# KiCad board rcbus-ymf262-panel.kicad_pcb (continued)
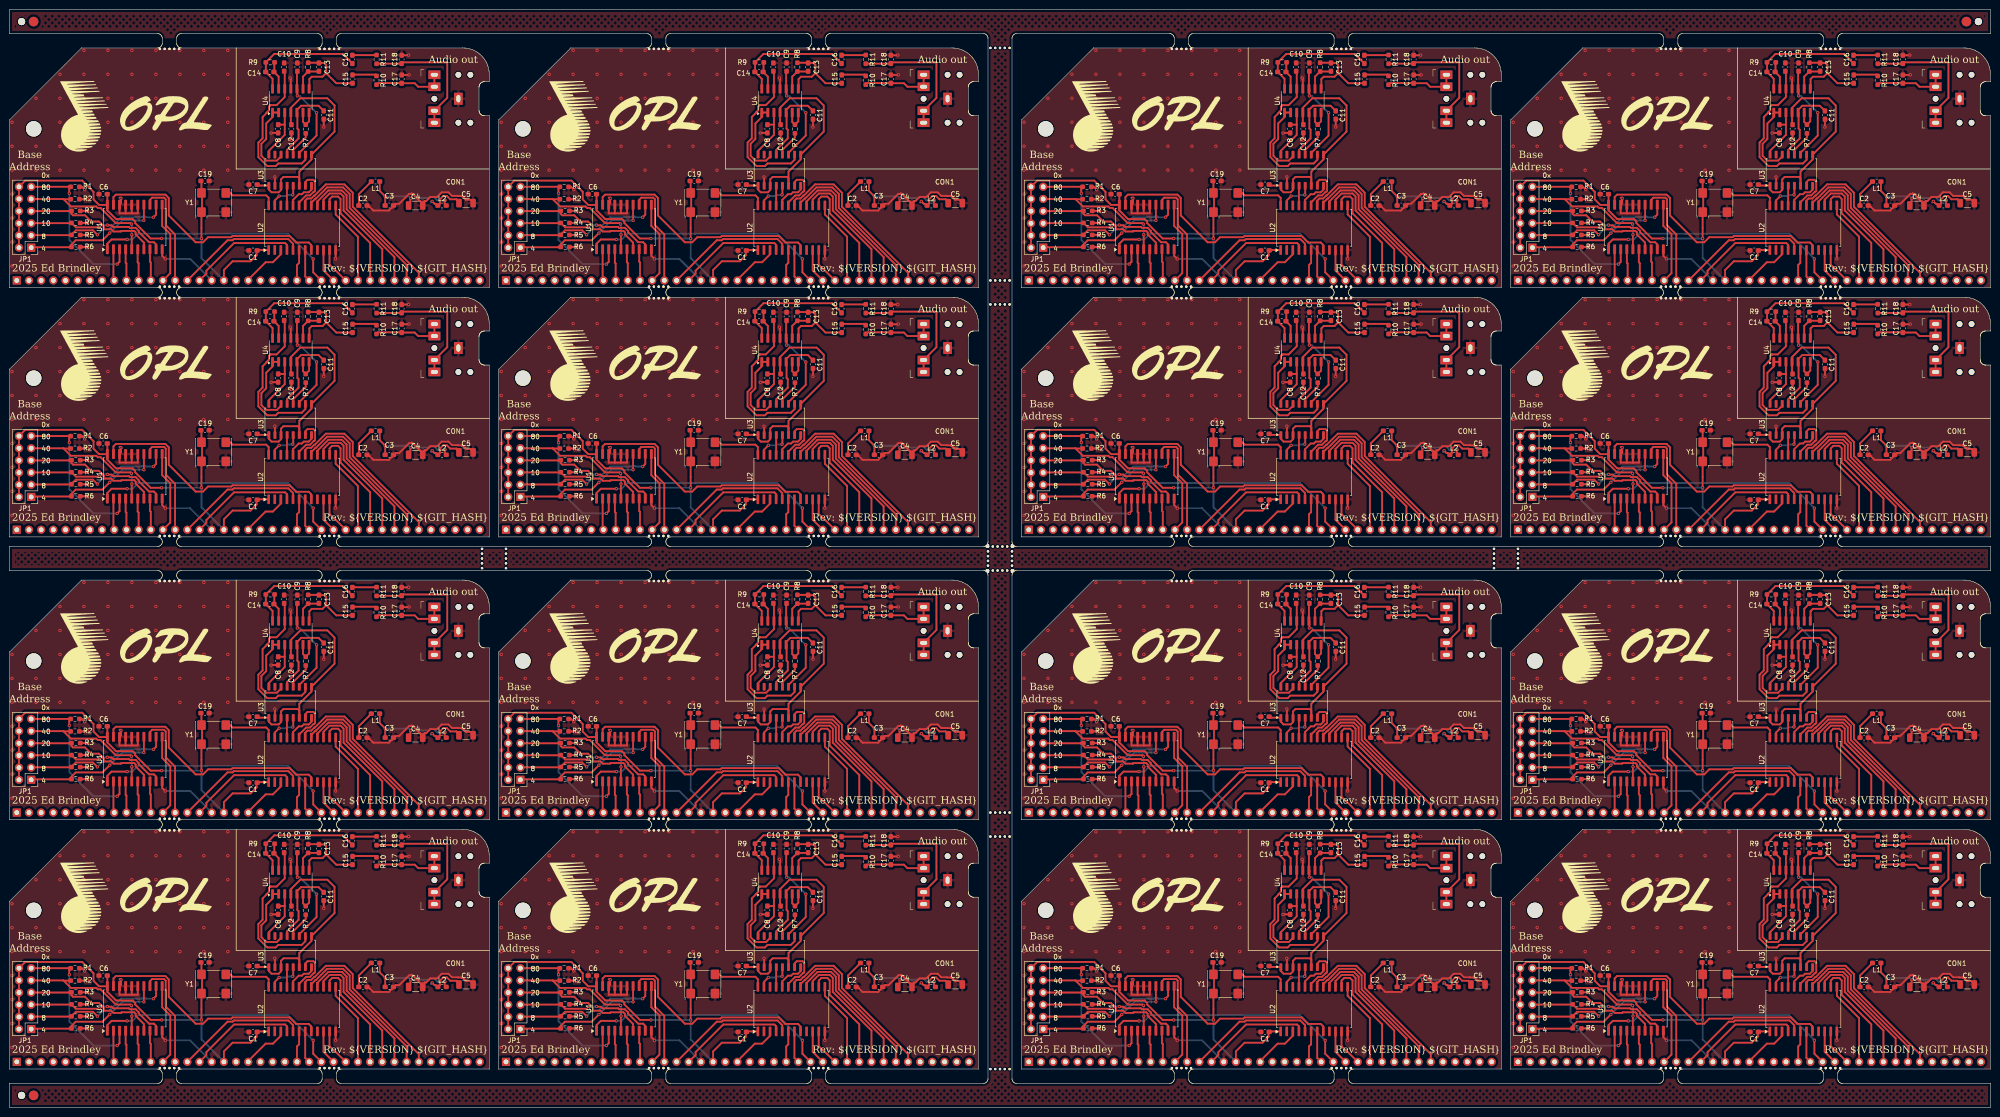
[diagram p0: board, top side]
## Routing (per net, layer and track width the routed paths; a pad name or vN(x,y) marks a point on that pad's centre or on a via; arc(x,y) is an arc through that point) (continued)
Board_10-Net-(U3-AOUT): length 16.9
  Front w0.381: C11#3.1 275.42,97.95 271.78,97.95 270.91,97.08 U4#3.5 271,96.43 271,93.19 271.25,92.94 271.25,91.14 268.87,88.75 U3.13
Board_10-Net-(U3-CV): length 11.5
  Front w0.381: 268.37,94 U4#3.3 ; 268.37,94 268.37,91.86 265.05,88.55 U3.16 ; 268.37,94 C8#16.1
Board_10-Net-(U3-MP): length 16.3
  Front w0.381: 265.94,96.53 266.99,96.53 ; U3.14 267.6,87.37 266.73,86.51 264.5,86.51 263.5,87.5 263.5,90 264.5,91 264.5,94.25 265.83,95.58 U4#3.1
Board_10-Net-(U3-SWIN): length 5.5
  Front w0.381: R7.1 272.75,91.34 270.13,88.72 U3.12
Board_10-Net-(U4B--): length 5.6
  Front w0.381: U4#3.7 273.45,94.7 R7.2 272.18,94.57 U4#3.6
Board_10-Net-(U4C--): length 6.3
  Front w0.381: C13#6.2 275.45,105.09 R8#12.1 272.18,104.02 U4#3.9
Board_10-Net-(U4D--): length 6
  Front w0.381: R9#6.1 266.2,106.72 266.2,105.08 C14#7.1 267.1,104.02 U4#3.13
Board_10-VCC: length 103.5
  Front w0.381: v1(251,70.25) 251,75.03 251.12,75.15 251.12,80.35 ; Y1#16.4 251,82.14 C19#14.1 ; 231.33,77.26 229.65,77.26 228.5,78.41 228.5,79.98 226.14,82.34 214.26,82.34 JP1#8.12 JP1#8.2 ; P1#14.18 255.68,63.68 257.5,65.5 261.25,65.5 262.5,66.75 262.5,67.75 C1#14.1 262.71,67.85 U2#13.1 ; L1#16.2 286,81.7 283.82,79.52 283.82,77.15 C2.1 ; C6#3.1 231.38,79.48 U1#9.20 231.38,76.12 233.19,74.31 236.66,74.31 237.18,73.79 237.18,73.48 240.41,70.25 v1(242.71,70.25)
  Back w0.381: v1(242.71,70.25) v1(251,70.25) 251,66.18 P1#14.18
Board_11-+5VA: length 56.5
  Front w0.381: v1(401.1,78) 401.59,77.5 401.81,77.5 L2#9.1 402.71,77.56 402.72,77.57 402.72,78.42 403.42,79.12 404.17,79.12 404.87,78.43 406.16,78.43 406.16,78.42 C5#16.1 ; C12#7.1 371.64,94.11 U4#7.4 371.64,97.52 373.61,99.5 379.25,99.5 380.75,98 380.75,92.56 U3#11.9 375.95,86.75 373.4,84.21 U3#11.6 373.4,82.8 373.11,83.1 370.1,83.1 369.6,82.6 U3#11.3 369.6,80.38 369.1,79.89 367.62,79.89 367.05,80.45 U3#11.1 367,81.3 364.81,81.3 C7#4.1
  Back w0.381: v1(401.1,78) 400.82,77.72
Board_11-/A0: length 23
  Front w0.381: U2#3.4 370.83,68.93 370.45,69.3 359.8,69.3 354.02,63.52 354.02,62.92 P1#11.16
Board_11-/A1: length 27.3
  Front w0.381: P1#11.15 358.45,69.89 359.49,69.89 359.74,70.14 371.12,70.14 372.1,69.16 U2#3.5
Board_11-/A2: length 22.4
  Front w0.381: P1#11.14 347.5,61.52 347.5,71.09 345.56,73.04 345.56,78.43 345.21,78.77 342.72,78.77 342.27,78.33 U1#16.13
Board_11-/A3: length 17.1
  Front w0.381: P1#11.13 346.5,63.02 346.5,71.19 344.8,72.89 344.8,77.29
Board_11-/A4: length 6.6
  Front w0.381: P1#11.12 342.44,65.26 342.27,65.43 342.27,67.94 342.3,67.97
Board_11-/A5: length 6.6
  Front w0.381: P1#11.11 339.9,65.1 339.7,65.3 339.7,67.97
Board_11-/A6: length 6.6
  Front w0.381: P1#11.10 337.36,65.04 337.2,65.2 337.2,67.99
Board_11-/A7: length 6.6
  Front w0.381: P1#11.9 334.65,61.67 U1#16.2
Board_11-/AUDIO_CH1: length 33.2
  Front w0.381: C10#2.1 370.37,105.02 U4#7.12 370.37,99.77 368.67,98.07 367.44,98.07 367.44,98.07 367.41,98.07 367.41,98.06 367.38,98.06 367.37,98.05 367.36,98.05 367.34,98.03 367.33,98.03 367.08,97.78 367.08,97 366.6,96.52 366.6,96.48 366.59,96.47 366.59,96.44 365.75,95.59 365.75,91.15 364.87,90.26 364.87,87.24 366.74,85.37 368.48,85.37 369.02,85.9 373.9,85.9 374.67,86.68 U3#11.10
Board_11-/AUDIO_CH2: length 20.9
  Front w0.381: C9#2.1 372.91,105.05 U4#7.10 373,101.38 v1(373,100) ; U3#11.11 373.4,88.13 377,91.72 v1(377,96.5)
  Back w0.381: v1(377,96.5) 373.5,100 v1(373,100)
Board_11-/CLK: length 10.9
  Front w0.381: 358.38,80.35 359.48,79.25 366.5,79.25 367.01,78.74 U2#3.24
Board_11-/D0: length 7.2
  Front w0.381: P1#11.27 378.45,63.6 U2#3.10
Board_11-/D1: length 7.8
  Front w0.381: 379.7,67.84 379.7,64.79 380.67,63.81 380.77,63.81 P1#11.28
Board_11-/D2: length 17.6
  Front w0.381: U2#3.13 380.99,75.27 385.62,70.63 P1#11.29
Board_11-/D3: length 23.6
  Front w0.381: P1#11.30 388.16,69.34 382,75.5 382,78.5 381.5,79 380.25,79 379.72,78.47 U2#3.14
Board_11-/D4: length 27
  Front w0.381: U2#3.15 378.45,78.35 379.73,79.64 382.01,79.64 382.63,79.01 382.63,76.1 390.7,68.03 P1#11.31
Board_11-/D5: length 30.2
  Front w0.381: U2#3.16 377.17,77.98 379.46,80.27 382.28,80.27 383.27,79.28 383.27,76.36 393.24,66.39 P1#11.32
Board_11-/D6: length 33.4
  Front w0.381: P1#11.33 395.78,64.75 383.91,76.62 383.91,79.54 382.54,80.91 379.2,80.91 376.89,78.6 376.79,78.6 375.9,77.71 U2#3.17
Board_11-/D7: length 37
  Front w0.381: U2#3.18 374.63,78.15 375.08,78.6 375.89,78.6 376.52,79.23 376.63,79.23 378.94,81.54 382.8,81.54 384.54,79.8 384.54,76.89 398.32,63.11 P1#11.34
Board_11-/DAC_CLK: length 7.2
  Front w0.381: U2#3.23 368.28,78.19 v1(369.2,79.1) ; v1(372.04,79.36) 372.13,79.45 U3#11.5
  Back w0.381: v1(369.2,79.1) 370.73,79.1 370.93,79.3 371.98,79.3 v1(372.04,79.36)
Board_11-/DOAB: length 4.1
  Front w0.381: U3#11.4 370.83,81.21 U2#3.21
Board_11-/L: length 18.1
  Front w0.381: 379,104.75 378.25,104 376,104 375.5,103.5 375.5,101.53 U4#7.8 ; 379,104.75 381.11,102.64 C15#10.1 ; 379,104.75 379,106.5 378.64,106.86 C13#5.1 377.45,106.91 R8#3.2
Board_11-/R: length 25.7
  Front w0.381: U4#7.14 367.83,103.56 C14#5.2 366.42,105.04 R9#15.2 368.17,108.75 382.46,108.75 C16#6.1
Board_11-/SMPAC: length 6.7
  Front w0.381: U2#3.20 372.1,78.3 373.28,79.49 373.94,79.49 374.34,79.89 375.38,79.89 375.95,80.45 U3#11.8
Board_11-/SMPBD: length 10.1
  Front w0.381: U2#3.19 373.37,77.78 374.82,79.23 375.63,79.23 376.4,80 376.5,80 376.69,80.2 376.69,82.15 376.35,82.5 375.12,82.5 374.67,82.05 U3#11.7
Board_11-/~{CS}: length 51.7
  Front w0.381: U2#3.8 375.9,68.9 375.38,69.42 372.73,69.42 371.38,70.77 359.47,70.77 359.22,70.52 354.38,70.52 353.33,69.46 351.79,69.46 346.19,75.06 346.19,78.69 345.47,79.41 335.15,79.41 334.65,78.9 U1#16.19
Board_11-/~{IORQ}: length 52.4
  Front w0.381: v1(376.3,66) 376.3,63.2 P1#11.26 ; v1(337.5,70.05) 334.26,70.05 333.38,69.17 U1#16.1
  Back w0.381: v1(337.5,70.05) 338.6,70.05 339.8,71.25 349.39,71.25 349.42,71.21 350.08,71.21 350.11,71.25 371.05,71.25 v1(376.3,66)
Board_11-/~{RD}: length 6.7
  Front w0.381: U2#3.7 374.63,62.33 P1#11.25
Board_11-/~{RESET}: length 9.8
  Front w0.381: 362.76,61.68 366.39,65.3 367.9,65.3 369.55,66.96 369.55,67.74 369.5,67.8
Board_11-/~{WR}: length 6.5
  Front w0.381: U2#3.6 373.37,65.17 372.92,64.72 P1#11.24
Board_11-GND: length 76.5
  Front w0.381: R4#15.2 v1(329.2,73.5) ; 335.92,76.71 335.92,75.5 337.2,75.5 ; v1(371.5,103.75) 371.64,103.61 U4#7.11 ; C8#3.2 367.52,92.28 v1(367.5,92.25) ; R2#5.2 329.14,78.44 v1(329.2,78.5) ; 338.5,75.5 339.73,75.5 339.73,76.84 ; 338.5,75.5 338.46,75.54 U1#16.16 ; 338.5,75.5 337.2,75.5 ; C17#16.2 396.26,104.36 v1(396.3,104.4) ; v1(328.64,80.44) 328.06,81.03 R1#2.2 ; U1#16.10 344.81,66.64 v1(345.46,66) ; 335.92,78.77 336.23,78.77 v1(336.23,78.62) 336.23,77.61 U1#16.18 ; R5#8.2 329.19,70.99 v1(329.2,71) ; R6#11.2 329.18,68.48 v1(329.2,68.5) ; 337.2,75.5 337.19,75.51 U1#16.17 ; C18#7.2 396.16,108.48 v1(396.2,108.51) ; C2#12.2 388.06,76.85 388.07,76.85 388.83,76.09 392.11,76.09 392.68,76.66 392.68,76.67 C3#8.2 393.52,77.5 393.53,77.51 394.24,77.51 396.28,79.55 396.68,79.55 396.81,79.67 396.94,79.55 397.04,79.55 398.58,78.01 398.66,78.01 398.68,77.99 C4#14.2 399.52,78.02 399.52,78.03 399.54,78.06 399.87,78.06 400.72,78.91 402.13,78.91 403.1,79.88 404.49,79.88 405.23,79.14 406.45,79.14 406.49,79.11 407.25,79.11 407.26,79.1 407.3,79.1 407.31,79.09 407.35,79.09 407.38,79.06 407.39,79.06 407.42,79.03 407.43,79.03 408.13,78.33 409.08,78.33 C5#16.2 ; 355.67,61.5 P1#11.17 ; v1(368.3,83.1) 368.33,83.08 U3#11.2 ; R3#7.2 329.19,76.01 v1(329.2,76) ; U2#3.12 v1(380.99,66) ; C12#7.2 v1(371.75,90.75) ; C11#16.2 v1(378.5,93.5)
  Back w0.381: v1(345.46,66) 350.64,66 P1#11.17
  vias: v1(313.5,94.5) v1(313.5,89.5) v1(313.5,84.5) v1(313.5,79.5) v1(313.5,74.5) v1(313.5,69.5) v1(313.5,64.5) v1(318.5,99.5) v1(318.5,89.5) v1(318.5,84.5) v1(323.5,104.5) v1(323.5,99.5) v1(323.5,94.5) v1(323.5,89.5) v1(323.5,84.5) v1(328.5,109.5) v1(328.5,104.5) v1(328.5,99.5) v1(328.5,94.5) v1(328.5,89.5) v1(328.5,84.5) v1(333.5,109.5) v1(333.5,104.5) v1(333.5,99.5) v1(333.5,94.5) v1(333.5,89.5) v1(333.5,84.5) v1(338.5,109.5) v1(338.5,104.5) v1(338.5,99.5) v1(338.5,94.5) v1(338.5,89.5) v1(338.5,84.5) v1(343.5,109.5) v1(343.5,104.5) v1(343.5,99.5) v1(343.5,94.5) v1(343.5,89.5) v1(343.5,84.5) v1(348.5,109.5) v1(348.5,104.5) v1(348.5,99.5) v1(348.5,94.5) v1(348.5,89.5) v1(348.5,84.5) v1(353.5,109.5) v1(353.5,104.5) v1(353.5,99.5) v1(353.5,94.5) v1(353.5,89.5) v1(353.5,84.5) v1(358.5,109.5) v1(358.5,104.5) v1(358.5,99.5) v1(358.5,94.5) v1(358.5,89.5) v1(358.5,84.5)
Board_11-Net-(C3-Pad1): length 21.1
  Front w0.381: L1#4.1 390.17,80.18 v1(391.32,79.03) 391.32,77.52 391.41,77.42 ; v1(403.79,78.21) 403.71,78.12 403.71,77.6 L2#9.2 ; C4#14.1 396.57,78.02 396.57,78.54 v1(396.66,78.63)
  Back w0.381: v1(391.32,79.03) 396.26,79.03 v1(396.66,78.63) 400.44,78.63 400.72,78.91 401.47,78.91 402.18,78.21 v1(403.79,78.21)
Board_11-Net-(C15-Pad2): length 5.1
  Front w0.381: R10#15.1 389.22,104.44 384.58,104.44 C15#10.2
Board_11-Net-(C16-Pad2): length 4.5
  Front w0.381: 384.75,108.5 389.23,108.5
Board_11-Net-(C17-Pad1): length 15
  Front w0.381: CON1#13.T CON1#13.TN 398.2,101.91 397.46,102.64 C17#16.1 394.54,102.64 394.5,102.68 389.84,102.68 389.5,102.34
Board_11-Net-(C18-Pad1): length 28
  Front w0.381: CON1#13.R CON1#13.RN 404.25,99.59 404.25,107 394.99,107 C18#7.1 ; 394.45,106.73 389.8,106.73
Board_11-Net-(JP1-Pin_1): length 28.7
  Front w0.381: 318.16,68.43 325.6,68.43 R6#11.1 325.9,69 326.78,69.88 332.36,69.88 v1(333.87,71.38) ; U1#16.14 v1(341,74.03)
  Back w0.381: v1(333.87,71.38) 336.53,74.05 338.92,74.05 338.94,74.03 v1(341,74.03)
Board_11-Net-(JP1-Pin_3): length 30.8
  Front w0.381: v1(331.31,71.03) 330.39,71.95 326.8,71.95 326.28,71.42 R5#8.1 325.6,70.94 317.56,70.94 JP1#14.3 ; U1#16.12 343.54,75.22 v1(343,74.68)
  Back w0.381: v1(331.31,71.03) 332.45,72.17 333.76,72.17 336.27,74.68 340.54,74.68 340.67,74.81 341.33,74.81 341.46,74.68 v1(343,74.68)
Board_11-Net-(JP1-Pin_5): length 29.4
  Front w0.381: v1(331.68,72.62) 331.64,72.58 326.82,72.58 R4#15.1 325.6,73.45 317.53,73.45 JP1#14.5 ; v1(333.37,73.05) 333.42,73 334.26,73 334.59,72.67 337.87,72.67 338.07,72.47 339.29,72.47 339.92,71.84 339.92,71.63 342.08,69.47 343.09,69.47 343.54,69.03 U1#16.9
  Back w0.381: v1(331.68,72.62) 332.1,73.05 v1(333.37,73.05)
Board_11-Net-(JP1-Pin_7): length 28.1
  Front w0.381: JP1#14.7 325.33,75.96 325.33,75.96 325.6,75.96 R3#7.1 325.9,75.4 326.21,75.09 328.72,75.09 330.02,73.79 331.62,73.79 332.63,72.78 332.63,72.25 332.71,72.17 334.19,72.17 334.65,71.71 336.21,71.71 336.34,71.84 338.99,71.84 339.29,71.54 339.29,71.11 341,69.4 341,68.6
Board_11-Net-(JP1-Pin_9): length 29.9
  Front w0.381: U1#16.5 338.46,71.03 v1(338.48,71.05) ; 317.51,78.49 324.22,78.49 ; 324.22,78.49 325.77,76.93 331.08,76.93 331.38,76.63 331.97,76.63 335.14,73.46 338.2,73.46 v1(338.4,73.26) ; 324.22,78.49 324.27,78.44 R2#5.1
  Back w0.381: v1(338.48,71.05) 338.48,73.17 v1(338.4,73.26)
Board_11-Net-(JP1-Pin_11): length 34.5
  Front w0.381: U1#16.3 335.92,65.38 v1(335.44,64.9) ; JP1#14.11 325.43,81.04 ; R1#2.1 325.43,80.56 325.43,79.71 v1(325.46,79.69)
  Back w0.381: v1(335.44,64.9) 330.49,64.9 325.46,69.93 v1(325.46,79.69)
Board_11-Net-(U3-AOUT): length 16.9
  Front w0.381: U3#11.13 370.87,88.75 373.25,91.14 373.25,92.94 373,93.19 373,96.43 U4#7.5 372.91,97.08 373.78,97.95 377.42,97.95 C11#16.1
Board_11-Net-(U3-CV): length 11.5
  Front w0.381: 370.37,94 370.37,91.86 367.05,88.55 U3#11.16 ; 370.37,94 U4#7.3 ; 370.37,94 C8#3.1
Board_11-Net-(U3-MP): length 16.3
  Front w0.381: 368.99,96.53 367.94,96.53 ; U4#7.1 367.83,95.58 366.5,94.25 366.5,91 365.5,90 365.5,87.5 366.5,86.51 368.73,86.51 369.6,87.37 U3#11.14
Board_11-Net-(U3-SWIN): length 5.5
  Front w0.381: R7#11.1 374.75,91.34 372.13,88.72 U3#11.12
Board_11-Net-(U4B--): length 5.6
  Front w0.381: U4#7.7 375.45,94.7 R7#11.2 374.18,94.57 U4#7.6
Board_11-Net-(U4C--): length 6.3
  Front w0.381: U4#7.9 374.18,104.02 R8#3.1 377.45,105.09 C13#5.2
Board_11-Net-(U4D--): length 6
  Front w0.381: U4#7.13 369.1,104.02 C14#5.1 368.2,105.08 368.2,106.72 R9#15.1
Board_11-VCC: length 103.5
  Front w0.381: JP1#14.2 JP1#14.12 316.26,82.34 328.14,82.34 330.5,79.98 330.5,78.41 331.65,77.26 333.33,77.26 ; v1(353,70.25) 353,75.03 353.12,75.15 353.12,80.35 ; C2#12.1 385.82,77.15 385.82,79.52 388,81.7 L1#4.2 ; Y1#4.4 353,82.14 C19#15.1 ; P1#11.18 357.68,63.68 359.5,65.5 363.25,65.5 364.5,66.75 364.5,67.75 C1#3.1 364.71,67.85 U2#3.1 ; C6#10.1 333.38,79.48 U1#16.20 333.38,76.12 335.19,74.31 338.66,74.31 339.18,73.79 339.18,73.48 342.41,70.25 v1(344.71,70.25)
  Back w0.381: P1#11.18 353,66.18 v1(353,70.25) v1(344.71,70.25)
Board_12-+5VA: length 56.5
  Front w0.381: C5#10.1 93.16,26.42 93.16,26.43 91.87,26.43 91.17,27.12 90.42,27.12 89.72,26.42 89.72,25.57 89.71,25.56 L2#13.1 88.81,25.5 88.59,25.5 v1(88.1,26) ; C12#6.1 58.64,42.11 U4#16.4 58.64,45.52 60.61,47.5 66.25,47.5 67.75,46 67.75,40.56 U3#9.9 62.94,34.75 60.4,32.21 U3#9.6 60.4,30.8 60.11,31.1 57.1,31.1 56.6,30.6 U3#9.3 56.6,28.38 56.1,27.89 54.62,27.89 54.06,28.45 U3#9.1 54,29.3 51.81,29.3 C7#2.1
  Back w0.381: v1(88.1,26) 87.82,25.72
Board_12-/A0: length 23
  Front w0.381: P1#15.16 41.02,10.92 41.02,11.52 46.8,17.3 57.45,17.3 57.82,16.93 U2#10.4
Board_12-/A1: length 27.3
  Front w0.381: U2#10.5 59.1,17.16 58.12,18.14 46.74,18.14 46.49,17.89 45.44,17.89 P1#15.15
Board_12-/A2: length 22.4
  Front w0.381: U1#8.13 29.27,26.33 29.72,26.77 32.21,26.77 32.56,26.43 32.56,21.04 34.5,19.09 34.5,9.52 P1#15.14
Board_12-/A3: length 17.1
  Front w0.381: 31.8,25.29 31.8,20.89 33.5,19.19 33.5,11.02 P1#15.13
Board_12-/A4: length 6.6
  Front w0.381: P1#15.12 29.44,13.26 29.27,13.43 29.27,15.94 29.3,15.97
Board_12-/A5: length 6.6
  Front w0.381: P1#15.11 26.9,13.1 26.7,13.3 26.7,15.97
Board_12-/A6: length 6.6
  Front w0.381: 24.2,15.99 24.2,13.2 24.36,13.04 P1#15.10
Board_12-/A7: length 6.6
  Front w0.381: U1#8.2 21.65,9.67 P1#15.9
Board_12-/AUDIO_CH1: length 33.2
  Front w0.381: C10#4.1 57.37,53.02 U4#16.12 57.37,47.77 55.67,46.07 54.44,46.07 54.44,46.07 54.41,46.07 54.41,46.06 54.38,46.06 54.37,46.05 54.36,46.05 54.34,46.03 54.33,46.03 54.08,45.78 54.08,45 53.6,44.52 53.6,44.48 53.59,44.47 53.59,44.44 52.75,43.59 52.75,39.15 51.87,38.26 51.87,35.24 53.74,33.37 55.48,33.37 56.02,33.9 60.9,33.9 61.68,34.68 U3#9.10
Board_12-/AUDIO_CH2: length 20.9
  Front w0.381: C9#4.1 59.91,53.05 U4#16.10 60,49.38 v1(60,48) ; U3#9.11 60.4,36.13 64,39.72 v1(64,44.5)
  Back w0.381: v1(60,48) 60.5,48 v1(64,44.5)
Board_12-/CLK: length 10.9
  Front w0.381: 45.38,28.35 46.48,27.25 53.5,27.25 54.01,26.74 U2#10.24
Board_12-/D0: length 7.2
  Front w0.381: P1#15.27 65.44,11.6 U2#10.10
Board_12-/D1: length 7.8
  Front w0.381: 66.7,15.84 66.7,12.79 67.67,11.81 67.77,11.81 P1#15.28
Board_12-/D2: length 17.6
  Front w0.381: P1#15.29 72.62,18.63 67.99,23.27 U2#10.13
Board_12-/D3: length 23.6
  Front w0.381: P1#15.30 75.16,17.34 69,23.5 69,26.5 68.5,27 67.25,27 66.71,26.47 U2#10.14
Board_12-/D4: length 27
  Front w0.381: P1#15.31 77.7,16.03 69.63,24.1 69.63,27.01 69.01,27.64 66.73,27.64 65.44,26.35 U2#10.15
Board_12-/D5: length 30.2
  Front w0.381: P1#15.32 80.24,14.39 70.27,24.36 70.27,27.28 69.28,28.27 66.46,28.27 64.18,25.98 U2#10.16
Board_12-/D6: length 33.4
  Front w0.381: P1#15.33 82.78,12.75 70.91,24.62 70.91,27.54 69.54,28.91 66.2,28.91 63.89,26.6 63.79,26.6 62.9,25.71 U2#10.17
Board_12-/D7: length 37
  Front w0.381: P1#15.34 85.32,11.11 71.54,24.89 71.54,27.8 69.8,29.54 65.94,29.54 63.63,27.23 63.52,27.23 62.89,26.6 62.08,26.6 61.63,26.15 U2#10.18
Board_12-/DAC_CLK: length 7.2
  Front w0.381: v1(59.04,27.36) 59.13,27.45 U3#9.5 ; v1(56.2,27.1) 55.29,26.19 U2#10.23
  Back w0.381: v1(59.04,27.36) 58.98,27.3 57.93,27.3 57.73,27.1 v1(56.2,27.1)
Board_12-/DOAB: length 4.1
  Front w0.381: U2#10.21 57.82,29.21 U3#9.4
Board_12-/L: length 18.1
  Front w0.381: 66,52.75 65.25,52 63,52 62.5,51.5 62.5,49.53 U4#16.8 ; 66,52.75 68.11,50.64 C15#15.1 ; 66,52.75 66,54.5 65.64,54.86 C13#16.1 64.45,54.91 R8#11.2
Board_12-/R: length 25.7
  Front w0.381: U4#16.14 54.83,51.56 C14#10.2 53.43,53.04 R9#5.2 55.18,56.75 69.46,56.75 C16#12.1
Board_12-/SMPAC: length 6.7
  Front w0.381: U2#10.20 59.1,26.3 60.28,27.49 60.94,27.49 61.34,27.89 62.38,27.89 62.94,28.45 U3#9.8
Board_12-/SMPBD: length 10.1
  Front w0.381: U3#9.7 61.68,30.05 62.12,30.5 63.35,30.5 63.69,30.15 63.69,28.2 63.5,28 63.4,28 62.63,27.23 61.82,27.23 60.37,25.78 U2#10.19
Board_12-/~{CS}: length 51.7
  Front w0.381: U1#8.19 21.65,26.9 22.15,27.41 32.47,27.41 33.19,26.69 33.19,23.06 38.79,17.46 40.33,17.46 41.38,18.52 46.22,18.52 46.47,18.77 58.38,18.77 59.73,17.42 62.38,17.42 62.9,16.9 U2#10.8
Board_12-/~{IORQ}: length 52.4
  Front w0.381: v1(63.3,14) 63.3,11.2 P1#15.26 ; v1(24.5,18.05) 21.26,18.05 20.38,17.17 U1#8.1
  Back w0.381: v1(24.5,18.05) 25.6,18.05 26.8,19.25 36.39,19.25 36.42,19.21 37.08,19.21 37.11,19.25 58.05,19.25 v1(63.3,14)
Board_12-/~{RD}: length 6.7
  Front w0.381: U2#10.7 61.63,10.33 P1#15.25
Board_12-/~{RESET}: length 9.8
  Front w0.381: 56.5,15.8 56.56,15.74 56.56,14.96 54.9,13.3 53.39,13.3 49.76,9.68
Board_12-/~{WR}: length 6.5
  Front w0.381: P1#15.24 59.92,12.72 60.37,13.17 U2#10.6
Board_12-GND: length 76.5
  Front w0.381: R4#13.2 v1(16.2,21.5) ; 22.92,24.71 22.92,23.5 24.2,23.5 ; 26.73,24.84 26.73,23.5 25.5,23.5 ; v1(15.64,28.44) 15.06,29.03 R1#7.2 ; U2#10.12 v1(67.99,14) ; v1(32.46,14) 31.81,14.64 U1#8.10 ; C5#10.2 96.08,26.33 95.13,26.33 94.43,27.03 94.42,27.03 94.39,27.06 94.38,27.06 94.35,27.09 94.31,27.09 94.3,27.1 94.26,27.1 94.25,27.11 93.49,27.11 93.45,27.14 92.23,27.14 91.49,27.88 90.1,27.88 89.13,26.91 87.72,26.91 86.87,26.06 86.54,26.06 86.52,26.03 86.52,26.02 C4#10.2 85.68,25.99 85.66,26.01 85.58,26.01 84.04,27.55 83.94,27.55 83.81,27.67 83.68,27.55 83.28,27.55 81.24,25.51 80.53,25.51 80.52,25.5 C3.2 79.68,24.67 79.68,24.66 79.11,24.09 75.83,24.09 75.07,24.85 75.06,24.85 C2#14.2 ; U4#16.11 58.64,51.61 v1(58.5,51.75) ; 22.92,26.77 23.23,26.77 v1(23.23,26.62) 23.23,25.61 U1#8.18 ; 24.2,23.5 25.5,23.5 ; 24.2,23.5 24.19,23.51 U1#8.17 ; v1(16.2,26.5) 16.14,26.44 R2#16.2 ; v1(83.3,52.4) 83.26,52.36 C17#4.2 ; 25.5,23.5 25.46,23.54 U1#8.16 ; U3#9.2 55.32,31.08 v1(55.3,31.1) ; v1(16.2,24) 16.19,24.01 R3#3.2 ; C11#5.2 v1(65.5,41.5) ; R6#7.2 16.18,16.48 v1(16.2,16.5) ; 42.67,9.5 P1#15.17 ; C8#4.2 54.52,40.28 v1(54.5,40.25) ; C18#5.2 83.16,56.48 v1(83.2,56.51) ; v1(16.2,19) 16.19,18.99 R5#12.2 ; C12#6.2 v1(58.75,38.75)
  Back w0.381: v1(32.46,14) 37.64,14 P1#15.17
  vias: v1(0.5,42.5) v1(0.5,37.5) v1(0.5,32.5) v1(0.5,27.5) v1(0.5,22.5) v1(0.5,17.5) v1(0.5,12.5) v1(5.5,47.5) v1(5.5,37.5) v1(5.5,32.5) v1(10.5,52.5) v1(10.5,47.5) v1(10.5,42.5) v1(10.5,37.5) v1(10.5,32.5) v1(15.5,57.5) v1(15.5,52.5) v1(15.5,47.5) v1(15.5,42.5) v1(15.5,37.5) v1(15.5,32.5) v1(20.5,57.5) v1(20.5,52.5) v1(20.5,47.5) v1(20.5,42.5) v1(20.5,37.5) v1(20.5,32.5) v1(25.5,57.5) v1(25.5,52.5) v1(25.5,47.5) v1(25.5,42.5) v1(25.5,37.5) v1(25.5,32.5) v1(30.5,57.5) v1(30.5,52.5) v1(30.5,47.5) v1(30.5,42.5) v1(30.5,37.5) v1(30.5,32.5) v1(35.5,57.5) v1(35.5,52.5) v1(35.5,47.5) v1(35.5,42.5) v1(35.5,37.5) v1(35.5,32.5) v1(40.5,57.5) v1(40.5,52.5) v1(40.5,47.5) v1(40.5,42.5) v1(40.5,37.5) v1(40.5,32.5) v1(45.5,57.5) v1(45.5,52.5) v1(45.5,47.5) v1(45.5,42.5) v1(45.5,37.5) v1(45.5,32.5)
Board_12-Net-(C3-Pad1): length 21.1
  Front w0.381: v1(83.66,26.63) 83.57,26.54 83.57,26.02 C4#10.1 ; L2#13.2 90.71,25.6 90.71,26.12 v1(90.79,26.21) ; 78.41,25.42 78.32,25.52 v1(78.32,27.03) 77.17,28.18 L1#11.1
  Back w0.381: v1(90.79,26.21) 89.18,26.21 88.47,26.91 87.72,26.91 87.44,26.63 v1(83.66,26.63) 83.26,27.03 v1(78.32,27.03)
Board_12-Net-(C15-Pad2): length 5.1
  Front w0.381: R10#8.1 76.22,52.44 71.58,52.44 C15#15.2
Board_12-Net-(C16-Pad2): length 4.5
  Front w0.381: 76.23,56.5 71.75,56.5
Board_12-Net-(C17-Pad1): length 15
  Front w0.381: CON1#10.T CON1#10.TN 85.19,49.91 84.46,50.64 C17#4.1 81.54,50.64 81.5,50.68 76.84,50.68 76.5,50.34
Board_12-Net-(C18-Pad1): length 28
  Front w0.381: CON1#10.R CON1#10.RN 91.25,47.59 91.25,55 81.99,55 C18#5.1 ; 81.45,54.73 76.8,54.73
Board_12-Net-(JP1-Pin_1): length 28.7
  Front w0.381: v1(20.87,19.38) 19.36,17.88 13.78,17.88 12.9,17 R6#7.1 12.6,16.43 5.16,16.43 ; U1#8.14 v1(28,22.03)
  Back w0.381: v1(20.87,19.38) 23.53,22.05 25.92,22.05 25.94,22.03 v1(28,22.03)
Board_12-Net-(JP1-Pin_3): length 30.8
  Front w0.381: JP1#3.3 4.56,18.94 12.6,18.94 R5#12.1 13.28,19.42 13.8,19.95 17.39,19.95 v1(18.31,19.03) ; U1#8.12 30.54,23.22 v1(30,22.68)
  Back w0.381: v1(18.31,19.03) 19.45,20.17 20.76,20.17 23.27,22.68 27.54,22.68 27.67,22.81 28.33,22.81 28.46,22.68 v1(30,22.68)
Board_12-Net-(JP1-Pin_5): length 29.4
  Front w0.381: JP1#3.5 4.53,21.45 12.6,21.45 R4#13.1 13.82,20.58 18.64,20.58 v1(18.68,20.62) ; v1(20.37,21.05) 20.42,21 21.26,21 21.59,20.67 24.87,20.67 25.07,20.47 26.29,20.47 26.92,19.84 26.92,19.63 29.08,17.47 30.09,17.47 30.54,17.03 U1#8.9
  Back w0.381: v1(18.68,20.62) 19.1,21.05 v1(20.37,21.05)
Board_12-Net-(JP1-Pin_7): length 28.1
  Front w0.381: 28,16.6 28,17.4 26.29,19.11 26.29,19.54 25.99,19.84 23.34,19.84 23.21,19.71 21.65,19.71 21.19,20.17 19.71,20.17 19.63,20.25 19.63,20.78 18.62,21.79 17.02,21.79 15.72,23.09 13.21,23.09 12.9,23.4 R3#3.1 12.6,23.96 12.33,23.96 12.33,23.96 JP1#3.7
Board_12-Net-(JP1-Pin_9): length 29.9
  Front w0.381: v1(25.4,21.26) 25.2,21.46 22.14,21.46 18.97,24.63 18.38,24.63 18.08,24.93 12.77,24.93 11.22,26.49 ; v1(25.48,19.05) 25.46,19.03 U1#8.5 ; 11.22,26.49 4.51,26.49 ; 11.22,26.49 11.27,26.44 R2#16.1
  Back w0.381: v1(25.4,21.26) 25.48,21.17 v1(25.48,19.05)
Board_12-Net-(JP1-Pin_11): length 34.5
  Front w0.381: v1(12.46,27.69) 12.43,27.71 12.43,28.56 R1#7.1 ; U1#8.3 22.92,13.38 v1(22.44,12.9) ; 12.43,29.04 JP1#3.11
  Back w0.381: v1(22.44,12.9) 17.49,12.9 12.46,17.93 v1(12.46,27.69)
Board_12-Net-(U3-AOUT): length 16.9
  Front w0.381: U3#9.13 57.87,36.75 60.25,39.14 60.25,40.94 60,41.19 60,44.43 U4#16.5 59.91,45.08 60.78,45.95 64.42,45.95 C11#5.1
Board_12-Net-(U3-CV): length 11.5
  Front w0.381: U3#9.16 54.06,36.55 57.37,39.86 57.37,42 ; C8#4.1 57.37,42 ; 57.37,42 U4#16.3
Board_12-Net-(U3-MP): length 16.3
  Front w0.381: U4#16.1 54.83,43.58 53.5,42.25 53.5,39 52.5,38 52.5,35.5 53.5,34.51 55.73,34.51 56.6,35.37 U3#9.14 ; 55.99,44.53 54.94,44.53
Board_12-Net-(U3-SWIN): length 5.5
  Front w0.381: U3#9.12 59.13,36.72 61.75,39.34 R7#3.1
Board_12-Net-(U4B--): length 5.6
  Front w0.381: U4#16.6 61.18,42.57 R7#3.2 62.45,42.7 U4#16.7
Board_12-Net-(U4C--): length 6.3
  Front w0.381: U4#16.9 61.18,52.02 R8#11.1 64.45,53.09 C13#16.2
Board_12-Net-(U4D--): length 6
  Front w0.381: R9#5.1 55.2,54.72 55.2,53.08 C14#10.1 56.1,52.02 U4#16.13
Board_12-VCC: length 103.5
  Front w0.381: C6#9.1 20.38,27.48 U1#8.20 20.38,24.12 22.19,22.31 25.66,22.31 26.18,21.79 26.18,21.48 29.41,18.25 v1(31.71,18.25) ; C2#14.1 72.82,25.15 72.82,27.52 75,29.7 L1#11.2 ; JP1#3.2 JP1#3.12 3.26,30.34 15.14,30.34 17.5,27.98 17.5,26.41 18.65,25.26 20.33,25.26 ; C19#4.1 40,30.14 Y1#10.4 ; P1#15.18 44.68,11.68 46.5,13.5 50.25,13.5 51.5,14.75 51.5,15.75 C1#12.1 51.71,15.85 U2#10.1 ; v1(40,18.25) 40,23.03 40.12,23.15 40.12,28.35
  Back w0.381: P1#15.18 40,14.18 v1(40,18.25) v1(31.71,18.25)
Board_13-+5VA: length 56.5
  Front w0.381: C12#15.1 160.64,42.11 U4#8.4 160.64,45.52 162.61,47.5 168.25,47.5 169.75,46 169.75,40.56 U3#8.9 164.95,34.75 162.4,32.21 U3#8.6 162.4,30.8 162.11,31.1 159.1,31.1 158.6,30.6 U3#8.3 158.6,28.38 158.1,27.89 156.62,27.89 156.05,28.45 U3#8.1 156,29.3 153.81,29.3 C7#8.1 ; C5#11.1 195.16,26.42 195.16,26.43 193.87,26.43 193.17,27.12 192.42,27.12 191.72,26.42 191.72,25.57 191.71,25.56 L2#2.1 190.81,25.5 190.59,25.5 v1(190.1,26)
  Back w0.381: v1(190.1,26) 189.82,25.72
Board_13-/A0: length 23
  Front w0.381: P1#8.16 143.02,10.92 143.02,11.52 148.8,17.3 159.45,17.3 159.83,16.93 U2#2.4
Board_13-/A1: length 27.3
  Front w0.381: P1#8.15 147.45,17.89 148.49,17.89 148.74,18.14 160.12,18.14 161.1,17.16 U2#2.5
Board_13-/A2: length 22.4
  Front w0.381: P1#8.14 136.5,9.52 136.5,19.09 134.56,21.04 134.56,26.43 134.21,26.77 131.72,26.77 131.27,26.33 U1#11.13
Board_13-/A3: length 17.1
  Front w0.381: P1#8.13 135.5,11.02 135.5,19.19 133.8,20.89 133.8,25.29
Board_13-/A4: length 6.6
  Front w0.381: P1#8.12 131.44,13.26 131.27,13.43 131.27,15.94 131.3,15.97
Board_13-/A5: length 6.6
  Front w0.381: 128.7,15.97 128.7,13.3 128.9,13.1 P1#8.11
Board_13-/A6: length 6.6
  Front w0.381: P1#8.10 126.36,13.04 126.2,13.2 126.2,15.99
Board_13-/A7: length 6.6
  Front w0.381: P1#8.9 123.65,9.67 U1#11.2
Board_13-/AUDIO_CH1: length 33.2
  Front w0.381: U3#8.10 163.67,34.68 162.9,33.9 158.02,33.9 157.48,33.37 155.74,33.37 153.87,35.24 153.87,38.26 154.75,39.15 154.75,43.59 155.59,44.44 155.59,44.47 155.6,44.48 155.6,44.52 156.08,45 156.08,45.78 156.33,46.03 156.34,46.03 156.36,46.05 156.37,46.05 156.38,46.06 156.41,46.06 156.41,46.07 156.44,46.07 156.44,46.07 157.67,46.07 159.37,47.77 U4#8.12 159.37,53.02 C10#13.1